# Altium PCB PCB1.PcbDoc (part 1 of 2)
Units mm, origin at the board's own origin, x right, y up, seen from the top; angles counter-clockwise.
Board outline 278.89 x 36.25 mm, 4 copper layers (SIG+GND TOP, SIG+PWR MID, GND3, SIG BOT), stack 1.589 mm thick; 63 components, 67 nets, 491 pads, 299 vias.
Unrouted connection lines stored in the file: 84.
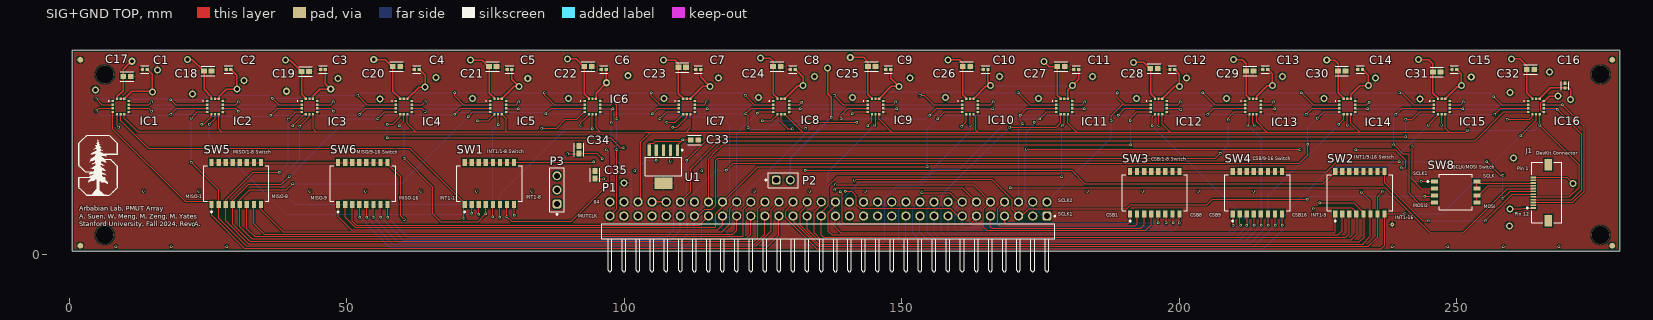
[diagram p0: SIG+GND TOP view]
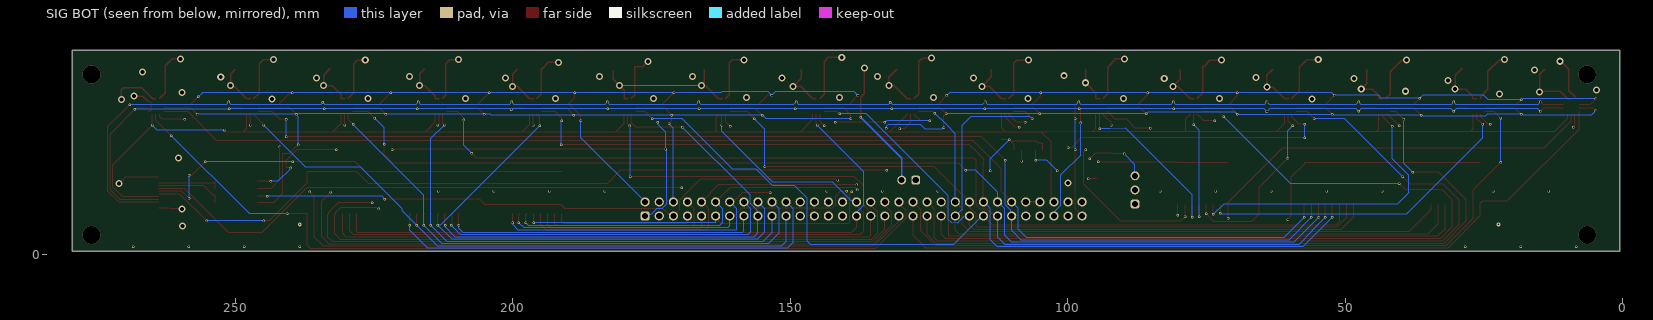
[diagram p1: SIG BOT view, seen from below]
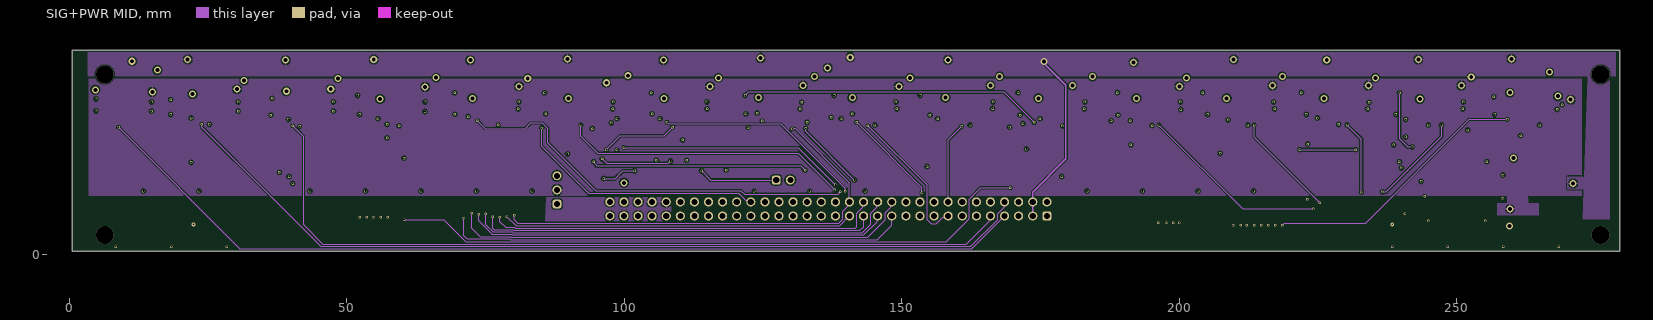
[diagram p2: SIG+PWR MID]
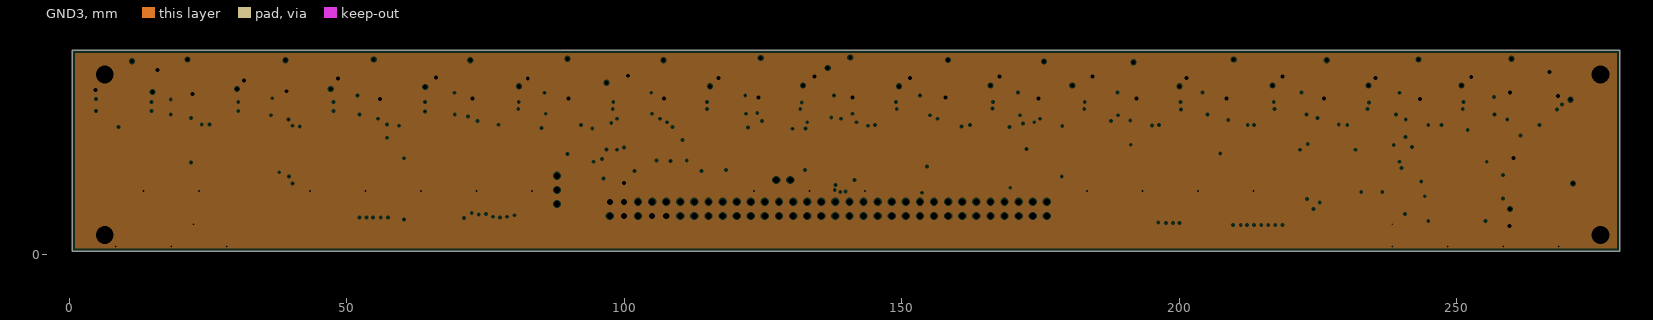
[diagram p3: GND3, clearances drawn from the general rule]
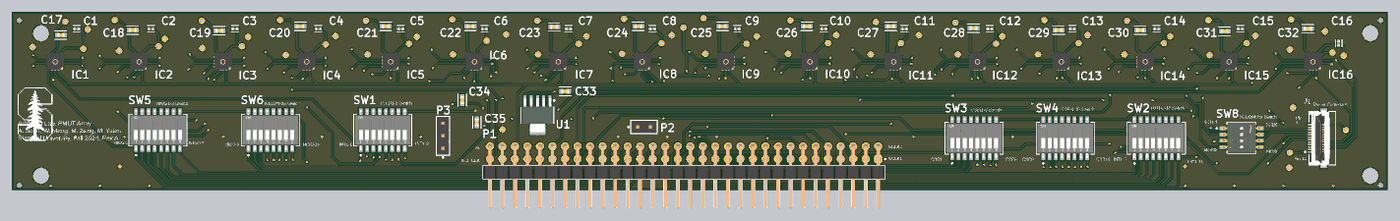
[diagram p5: 3D render of the assembled board from above, using the file's embedded part models]

## Layer stack, top to bottom
Top Solder: solder mask 0.015, Solder Resist, Dk 3.8
SIG+GND TOP: signal copper 0.0356
Dielectric 1: prepreg 0.1, 2313, Dk 4.05
SIG+PWR MID: signal copper 0.0356
Core: core 1.265, FR-4, Dk 4.5
GND3: plane copper 0.0175, net GND
Dielectric 2: prepreg 0.1, 2313, Dk 4.05
SIG BOT: signal copper 0.0356
Bottom Solder: solder mask 0.015, Solder Resist, Dk 3.8

## Board outline
0.508,0.508 0.508,36.759 279.395,36.759 279.395,0.508

## Design rules (kind name [scope] priority, off if disabled: settings)
AssemblyTestPointUsage [All] p1: isadvanced=TRUE
AssemblyTestpoint [All] p1: isadvanced=TRUE testpointundercomponent=TRUE minsize=1.016 maxsize=2.54 preferedsize=1.524 minholesize=0 maxholesize=1.016 preferedholesize=0.813 testpointgrid=0.025 usegrid=TRUE gridtolerance=0 allowsidetop=TRUE allowsidebottom=TRUE
BoardOutlineClearance [All] p1: isadvanced=TRUE gap=0.4 ignorepadtopadclearanceinfootprint=FALSE
Clearance "Clearance Bottom Layer" [OnLayer('Bottom Layer')] p1: isadvanced=TRUE gap=0.203 ignorepadtopadclearanceinfootprint=TRUE except(0.089: Track-Track Track-SMDPad; 0.127: Track-Via; 0.2: Track-THPad Track-Hole; 0.254: Arc-Text Track-Text SMDPad-Text THPad-Text Via-Text Fill-Text Poly-Text Region-Text Text-Text)
Clearance "Clearance Top Layer" [OnLayer('Top Layer')] p2: isadvanced=TRUE gap=0.203 ignorepadtopadclearanceinfootprint=TRUE except(0.254: Arc-Text Track-Text SMDPad-Text THPad-Text Via-Text Fill-Text Poly-Text Region-Text Text-Text)
Clearance Clearance_1 [(ExistsOnLayer('SIG+PWR MID')) vs (ExistsOnLayer('SIG+PWR MID'))] p3: gap=0.254 ignorepadtopadclearanceinfootprint=FALSE except(0.102: SMDPad-SMDPad) sourcerule=47 cellrowname=All cellrowtype=0 cellcolname=All cellcoltype=0 innerlayers=TRUE
Clearance Clearance_2 [(ExistsOnLayer('SIG+GND TOP') Or ExistsOnLayer('SIG BOT')) vs (ExistsOnLayer('SIG+GND TOP') Or ExistsOnLayer('SIG BOT'))] p4: gap=0.254 ignorepadtopadclearanceinfootprint=FALSE except(0.102: SMDPad-SMDPad) sourcerule=47 cellrowname=All cellrowtype=0 cellcolname=All cellcoltype=0 outerlayers=TRUE
Clearance [All] p5: gap=0.2 ignorepadtopadclearanceinfootprint=FALSE except(0.089: Arc-Arc Arc-Track Arc-SMDPad Track-Track Track-SMDPad SMDPad-SMDPad; 0.127: Arc-Via Track-Via SMDPad-Via THPad-Via Via-Via; 0.254: Arc-Text Track-Text SMDPad-Text THPad-Text Via-Text Fill-Text Poly-Text Region-Text Text-Text) ismatrix=TRUE
ComponentClearance [All] p1: isadvanced=TRUE gap=0.254 collisioncheckmode=3 verticalgap=0.254 showdistances=FALSE
FabricationTestPointUsage [All] p1: isadvanced=TRUE valid=0 allowmultiple=FALSE
FabricationTestpoint [All] p1: isadvanced=TRUE side=3 testpointundercomponent=TRUE minsize=1.016 maxsize=2.54 preferedsize=1.524 minholesize=0 maxholesize=1.016 preferedholesize=0.813 testpointgrid=0.025 allowsidetop=TRUE allowsidebottom=TRUE usegrid=TRUE gridtolerance=0
FanoutControl Fanout_BGA [IsBGA] p1: isadvanced=TRUE bgadir=Out bgaviamode=Centered fanoutstyle=Auto fanoutdirection=Alternating viagrid=0.025 // Fanout_BGA (Default Rule)
FanoutControl Fanout_LCC [IsLCC] p2: isadvanced=TRUE bgadir=Out bgaviamode=Centered fanoutstyle=Auto fanoutdirection=Alternating viagrid=0.025 // Fanout_LCC (Default Rule)
FanoutControl Fanout_SOIC [IsSOIC] p3: isadvanced=TRUE bgadir=Out bgaviamode=Centered fanoutstyle=Auto fanoutdirection=Alternating viagrid=0.025 // Fanout_SOIC (Default Rule)
FanoutControl Fanout_Small [(CompPinCount < 5)] p4: isadvanced=TRUE bgadir=Out bgaviamode=Centered fanoutstyle=Auto fanoutdirection=OutThenIn viagrid=0.025 // Fanout_Small (Default Rule)
FanoutControl Fanout_Default [All] p5: isadvanced=TRUE bgadir=Out bgaviamode=Centered fanoutstyle=Auto fanoutdirection=Alternating viagrid=0.025 // Fanout_Default (Default Rule)
Height [All] p1: isadvanced=TRUE minheight=0 maxheight=25.4 prefheight=12.7
HoleSize [All] p1: isadvanced=TRUE absolutevalues=TRUE maxlimit=6.3 minlimit=0.2 maxpercent=80.000 minpercent=20.000
HoleToHoleClearance [All] p1: isadvanced=TRUE gap=0.15 allowstackedmicrovias=TRUE
LayerPairs [All] p1: isadvanced=TRUE enforce=TRUE
MinimumAnnularRing [not IsVia] p1: isadvanced=TRUE minimumring=0.13
MinimumSolderMaskSliver [All] p1: isadvanced=TRUE minsoldermaskwidth=0.08
NetAntennae [All] p1: isadvanced=TRUE netantennaetolerance=0
PasteMaskExpansion [All] p1: isadvanced=TRUE expansion=0
PlaneClearance [All] p1: isadvanced=TRUE clearance=0.2
PlaneConnect [All] p1: isadvanced=TRUE planeconnectstyle=Direct reliefexpansion=0.508 reliefentries=4 reliefconductorwidth=0.254 reliefairgap=0.254
PolygonConnect [All] p1: connectstyle=Relief reliefconductorwidth=0.254 reliefentries=4 polygonreliefangle="90 Angle" airgapwidth=0.254
RoutingCorners [All] p1: isadvanced=TRUE cornerstyle=Round minsetback=2.54 maxsetback=2.54
RoutingPriority [All] p1: isadvanced=TRUE routingpriority=0
RoutingVias [All] p1: holewidth=0.3 width=0.45 viastyle="Through Hole" minholewidth=0.3 minwidth=0.45 maxholewidth=0.3 maxwidth=0.45
ShortCircuit [All] p1: isadvanced=TRUE allowed=FALSE
SilkToSilkClearance [IsObjectKind('Text') vs IsObjectKind('Text')] p1: isadvanced=TRUE silktosilkclearance=0.1
SilkToSolderMaskClearance [IsPad] p1: isadvanced=TRUE minsilkscreentomaskgap=0.15 clearancetoexposedcopper=TRUE
SolderMaskExpansion [All] p1: isadvanced=TRUE expansion=0.05 istentingtop=FALSE
SupplyNets "Schematic Supply Nets_6" [InNet('GND')] p1: voltage=0.000
SupplyNets "Schematic Supply Nets_5" [InNet('GND')] p2: isadvanced=TRUE voltage=0.000
SupplyNets "Schematic Supply Nets_4" [InNet('GND')] p3: isadvanced=TRUE voltage=0.000
SupplyNets "Schematic Supply Nets_3" [InNet('GND')] p4: isadvanced=TRUE voltage=0.000
SupplyNets "Schematic Supply Nets_2" [InNet('GND')] p5: isadvanced=TRUE voltage=0.000
SupplyNets "Schematic Supply Nets_1" [InNet('GND')] p6: isadvanced=TRUE voltage=0.000
SupplyNets "Schematic Supply Nets" [InNet('GND')] p7: isadvanced=TRUE voltage=0.000
UnRoutedNet [All] p1: isadvanced=TRUE
UnpouredPolygon [All] p1: isadvanced=TRUE
Width [All] p1: maxlimit=0.305 minlimit=0.154 preferedwidth=0.155 minimp=50.000000 maximp=50.000000 favimp=50.000000
4 further rules are at their usual default settings.

## Components (designator, comment, footprint, x,y, rotation, side; value= is the part's Value field where it differs from the comment)
C1 "0.1 uF Capacitator" FP-CL17-IPC_B 13.637,33.274 r0 top value=100nF
C2 "0.1 uF Capacitator" FP-CL17-IPC_B 28.702,33.274 r0 top value=100nF
C3 "0.1 uF Capacitator" FP-CL17-IPC_B 45.72,33.274 r0 top value=100nF
C4 "0.1 uF Capacitator" FP-CL17-IPC_B 62.611,33.274 r0 top value=100nF
C5 "0.1 uF Capacitator" FP-CL17-IPC_B 79.327,33.274 r0 top value=100nF
C6 "0.1 uF Capacitator" FP-CL17-IPC_B 96.311,33.274 r0 top value=100nF
C7 "0.1 uF Capacitator" FP-CL17-IPC_B 113.338,33.274 r0 top value=100nF
C8 "0.1 uF Capacitator" FP-CL17-IPC_B 130.365,33.274 r0 top value=100nF
C9 "0.1 uF Capacitator" FP-CL17-IPC_B 147.574,33.274 r0 top value=100nF
C10 "0.1 uF Capacitator" FP-CL17-IPC_B 165.1,33.274 r0 top value=100nF
C11 "0.1 uF Capacitator" FP-CL17-IPC_B 181.447,33.274 r0 top value=100nF
C12 "0.1 uF Capacitator" FP-CL17-IPC_B 198.755,33.274 r0 top value=100nF
C13 "0.1 uF Capacitator" FP-CL17-IPC_B 215.501,33.274 r0 top value=100nF
C14 "0.1 uF Capacitator" FP-CL17-IPC_B 232.585,33.274 r0 top value=100nF
C15 "0.1 uF Capacitator" FP-CL17-IPC_B 249.555,33.274 r0 top value=100nF
C16 "0.1 uF Capacitator" FP-CL17-IPC_B 269.494,30.353 r270 top value=100nF
C17 "1 uF Capacitator" FP-CC0603-DA-IPC_B 10.414,32.004 r180 top value=1µF
C18 "1 uF Capacitator" FP-CC0603-DA-IPC_B 24.977,33.02 r180 top value=1µF
C19 "1 uF Capacitator" FP-CC0603-DA-IPC_B 42.545,32.893 r180 top value=1µF
C20 "1 uF Capacitator" FP-CC0603-DA-IPC_B 58.971,33.782 r180 top value=1µF
C21 "1 uF Capacitator" FP-CC0603-DA-IPC_B 76.285,33.782 r180 top value=1µF
C22 "1 uF Capacitator" FP-CC0603-DA-IPC_B 93.472,33.782 r180 top value=1µF
C23 "1 uF Capacitator" FP-CC0603-DA-IPC_B 110.448,33.655 r180 top value=1µF
C24 "1 uF Capacitator" FP-CC0603-DA-IPC_B 127.508,33.782 r180 top value=1µF
C25 "1 uF Capacitator" FP-CC0603-DA-IPC_B 144.568,33.782 r180 top value=1µF
C26 "1 uF Capacitator" FP-CC0603-DA-IPC_B 161.671,33.782 r180 top value=1µF
C27 "1 uF Capacitator" FP-CC0603-DA-IPC_B 178.689,33.782 r180 top value=1µF
C28 "1 uF Capacitator" FP-CC0603-DA-IPC_B 195.453,33.401 r180 top value=1µF
C29 "1 uF Capacitator" FP-CC0603-DA-IPC_B 212.725,33.02 r180 top value=1µF
C30 "1 uF Capacitator" FP-CC0603-DA-IPC_B 229.277,33.02 r180 top value=1µF
C31 "1 uF Capacitator" FP-CC0603-DA-IPC_B 246.38,32.766 r180 top value=1µF
C32 "1 uF Capacitator" FP-CC0603-DA-IPC_B 263.271,33.274 r180 top value=1µF
C33 "1 uF Capacitator" FP-CC0603-DA-IPC_B 112.649,20.574 r0 top value=1µF
C34 "1 uF Capacitator" FP-CC0603-DA-IPC_B 91.821,18.796 r90 top value=1µF
C35 "1 uF Capacitator" FP-CC0603-DA-IPC_B 94.742,14.266 r90 top value=1µF
IC1 "ICU-20201" ICU20201 9.277,26.581 r180 top locked
IC2 "ICU-20201" ICU20201 26.277,26.581 r180 top locked
IC3 "ICU-20201" ICU20201 43.277,26.581 r180 top locked
IC4 "ICU-20201" ICU20201 60.277,26.581 r180 top locked
IC5 "ICU-20201" ICU20201 77.277,26.581 r180 top locked
IC6 "ICU-20201" ICU20201 94.277,26.581 r180 top locked
IC7 "ICU-20201" ICU20201 111.277,26.581 r180 top locked
IC8 "ICU-20201" ICU20201 128.277,26.581 r180 top locked
IC9 "ICU-20201" ICU20201 145.277,26.581 r180 top locked
IC10 "ICU-20201" ICU20201 162.277,26.581 r180 top locked
IC11 "ICU-20201" ICU20201 179.277,26.581 r180 top locked
IC12 "ICU-20201" ICU20201 196.277,26.581 r180 top locked
IC13 "ICU-20201" ICU20201 213.277,26.581 r180 top locked
IC14 "ICU-20201" ICU20201 230.277,26.581 r180 top locked
IC15 "ICU-20201" ICU20201 247.277,26.581 r180 top locked
IC16 "ICU-20201" ICU20201 264.277,26.581 r180 top locked
J1 "12 Pin Ribbon Connector" FP-505110-1292-MFG 266.192,11.049 r90 top
P1 "64-Pin Connector" 61306421021 136.769,4.128 r0 top locked
P2 "2 Pin Header" 61300211121 128.651,13.335 r0 top
P3 "3 Pin Header Male" 61300311121 87.884,11.557 r90 top
SW1 "8 Dip Switch" FP-1-1571983-1-MFG 75.692,12.7 r0 top locked
SW2 "8 Dip Switch" FP-1-1571983-1-MFG 232.537,11.049 r0 top
SW3 "8 Dip Switch" FP-1-1571983-1-MFG 195.58,11.049 r0 top locked
SW4 "8 Dip Switch" FP-1-1571983-1-MFG 214.058,11.049 r0 top
SW5 "8 Dip Switch" FP-1-1571983-1-MFG 30.099,12.7 r0 top
SW6 "8 Dip Switch" FP-1-1571983-1-MFG 52.895,12.7 r0 top
SW8 "4 DIP SWITCH Surface Mount" FP-218-4LPSTR-MFG 249.809,11.176 r0 top
U1 "3.3V -> 1.8V LDO" DCQ0006A_N 107.061,15.748 r270 top

## Footprints (in the part's own frame and the unit in brackets; to place one, negate y for a bottom-side part, rotate by r counter-clockwise, add the part's x,y. Pads: shape width x height; smd on the part's side, far side on the other; paste and mask are expansions set on the pad)
61300211121 [mm] "Pin Header, pitch 2.54 mm, THT, Vertical, single row, 2p"
  rrect50% 1.6x1.6 hole 1.1: 1(-1.27,0)
  round 1.6 hole 1.1: 2(1.27,0)
  silkscreen extent -3.26,-1.35 2.69,1.35, body extent -2.54,-1.27 2.54,1.27, height 8.57
61300311121 [mm] "Pin Header, pitch 2.54 mm, THT, Vertical, single row, 3p"
  rrect50% 1.6x1.6 hole 1.1: 1(-2.54,0)
  round 1.6 hole 1.1: 2(0,0) 3(2.54,0)
  silkscreen extent -4.53,-1.35 3.96,1.35, body extent -3.81,-1.27 3.81,1.27, height 8.57
61306421021 [mm] "Pin Header, pitch 2.54 mm, THT, Angled, dual row, 64p"
  rrect50% 1.65x1.65 hole 1.1: 1(39.37,2.73)
  round 1.65 hole 1.1: 2(39.37,5.27) 3(36.83,2.73) 4(36.83,5.27) 5(34.29,2.73) 6(34.29,5.27) 7(31.75,2.73) 8(31.75,5.27) 9(29.21,2.73) 10(29.21,5.27) 11(26.67,2.73) 12(26.67,5.27) 13(24.13,2.73) 14(24.13,5.27) 15(21.59,2.73) 16(21.59,5.27) 17(19.05,2.73) 18(19.05,5.27) 19(16.51,2.73) 20(16.51,5.27) 21(13.97,2.73) 22(13.97,5.27) 23(11.43,2.73) 24(11.43,5.27) 25(8.89,2.73) 26(8.89,5.27) 27(6.35,2.73) 28(6.35,5.27) 29(3.81,2.73) 30(3.81,5.27) 31(1.27,2.73) 32(1.27,5.27) 33(-1.27,2.73) 34(-1.27,5.27) 35(-3.81,2.73) 36(-3.81,5.27) 37(-6.35,2.73) 38(-6.35,5.27) 39(-8.89,2.73) 40(-8.89,5.27) 41(-11.43,2.73) 42(-11.43,5.27) 43(-13.97,2.73) 44(-13.97,5.27) 45(-16.51,2.73) 46(-16.51,5.27) 47(-19.05,2.73) 48(-19.05,5.27) 49(-21.59,2.73) 50(-21.59,5.27) 51(-24.13,2.73) 52(-24.13,5.27) 53(-26.67,2.73) 54(-26.67,5.27) 55(-29.21,2.73) 56(-29.21,5.27) 57(-31.75,2.73) 58(-31.75,5.27) 59(-34.29,2.73) 60(-34.29,5.27) 61(-36.83,2.73) 62(-36.83,5.27) 63(-39.37,2.73) 64(-39.37,5.27)
  silkscreen extent -40.79,-7.27 40.93,2.82, body extent -40.64,-7.27 40.64,5.63, height 5.12
DCQ0006A_N [mm] "SOT223, 6-Leads, Body 6.55x3.55mm, Pitch 1.27mm, IPC Medium Density"
  rrect17% 2.1x0.6 smd: 1(-2.975,2.54) 2(-2.975,1.27) 3(-2.975,0) 4(-2.975,-1.27) 5(-2.975,-2.54)
  rrect5% 2.1x3.2 smd: 6(2.975,0)
  silkscreen extent -3.1,-3.3 1.65,3.52, body extent -3.48,-3.25 3.48,3.25, height 1.64
FP-1-1571983-1-MFG [mm]
  rect 0.76x1.27 smd paste+0 mask+0: 1(-4.445,-3.795) 2(-3.175,-3.795) 3(-1.905,-3.795) 4(-0.635,-3.795) 5(0.635,-3.795) 6(1.905,-3.795) 7(3.175,-3.795) 8(4.445,-3.795) 9(4.445,3.795) 10(3.175,3.795) 11(1.905,3.795) 12(0.635,3.795) 13(-0.635,3.795) 14(-1.905,3.795) 15(-3.175,3.795) 16(-4.445,3.795)
  silkscreen extent -5.89,-5.22 5.89,3.23, body extent -5.99,-4.53 5.99,4.53, height 0.25
FP-218-4LPSTR-MFG [mm]
  rect 1.27x0.76 smd paste+0 mask+0: 1(-3.81,1.905) 2(-3.81,0.635) 3(-3.81,-0.635) 4(-3.81,-1.905) 5(3.81,-1.905) 6(3.81,-0.635) 7(3.81,0.635) 8(3.81,1.905)
  silkscreen extent -5.15,-3.19 2.96,3.19, body extent -4.54,-3.29 4.54,3.29, height 0.25
FP-505110-1292-MFG [mm]
  rect 0.3x1 smd paste+0 mask+0: 1(-2.75,2.425) 2(-2.25,2.425) 3(-1.75,2.425) 4(-1.25,2.425) 5(-0.75,2.425) 6(-0.25,2.425) 7(0.25,2.425) 8(0.75,2.425) 9(1.25,2.425) 10(1.75,2.425) 11(2.25,2.425) 12(2.75,2.425)
  rect 2x1.3 smd paste+0 mask+0: 13(-5.05,-0.275) 14(5.05,-0.275)
  silkscreen extent -5.45,-2.73 5.45,3.6, body extent -6.15,-2.83 6.15,3.03, height 0.25
FP-CC0603-DA-IPC_B [mm]
  rect 1.058x0.912 smd paste+0 mask+0: 1(-0.677,0) 2(0.677,0)
  silkscreen extent -1.21,-0.86 1.21,0.86, body extent -1.46,-0.71 1.46,0.71, height 0.25
FP-CL17-IPC_B [mm]
  rect 0.615x0.572 smd paste+0 mask+0: 1(-0.429,0) 2(0.429,0)
  silkscreen extent -0.74,-0.69 0.74,0.69, body extent -0.89,-0.44 0.89,0.44, height 0.25
ICU20201 [mm]
  rect 0.45x0.4 smd: 1(1.425,-0.975) 2(1.425,-0.325) 3(1.425,0.325) 4(1.425,0.975) 8(-1.425,0.975) 9(-1.425,0.325) 10(-1.425,-0.325) 11(-1.425,-0.975)
  rect 0.4x0.45 smd: 5(0.65,1.425) 6(0,1.425) 7(-0.65,1.425) 12(-0.65,-1.425) 13(0,-1.425) 14(0.65,-1.425)
  silkscreen extent 2.1,-1.02 2.2,-0.93, body extent -1.76,-1.76 1.76,1.76, height 1.26

## Part data
C1 C2 C3 C4 C5 C6 C7 C8 C9 C10 C11 C12 C13 C14 C15 C16: library part CMP-001-00084-1, "Ceramic Capacitor, Multilayer, Ceramic, 10V, 10% +Tol, 10% -Tol, X7R, 15% TC, 0.1uF, Surface Mount, 0402", Capacitor Type=Ceramic, Case/Package=0402, Max Operating Temperature=125°C, Min Operating Temperature=-55°C, Package Shape=Rectangular, Package Style=SMTMeter, Rated DC Voltage (URdc)=10V, Temperature Characteristics Code=X7R, Tolerance  (fill in as +-)=10%, Dielectric Material=Ceramic, Height=0.5mm, JESD-609 Code=e3, Length=1mm, Mounting Technology="Surface Mount", Multilayer=Yes, Packaging="Tape and Reel", Pins=2, Reach SVHC Compliant=Yes, RoHS Compliant=Yes, Terminal Finish=Nickel, Termination=Wraparound, Tolerance (fill in as +-)=10%, Width=0.5mm
C17 C18 C19 C20 C21 C22 C23 C24 C25 C26 C27 C28 C29 C30 C31 C32 C33 C34 C35: library part CMP-001-00085-1, "Ceramic Capacitor, Multilayer, Ceramic, 16V, 10% +Tol, 10% -Tol, X7R, 15% TC, 1uF, Surface Mount, 0603", Capacitor Type=Ceramic, Case/Package=0603, Max Operating Temperature=125°C, Min Operating Temperature=-55°C, Package Shape=Rectangular, Package Style=SMTMeter, Rated DC Voltage (URdc)=16V, Temperature Characteristics Code=X7R, Tolerance  (fill in as +-)=10%, Dielectric Material=Ceramic, Height=0.8mm, JESD-609 Code=e3, Length=1.6mm, Mounting Technology="Surface Mount", Multilayer=Yes, Packaging="Tape and Reel", Pins=2, Reach SVHC Compliant=Yes, RoHS Compliant=Yes, Terminal Finish=Nickel, Termination=Wraparound, Tolerance (fill in as +-)=10%, Width=0.8mm
IC1 IC2 IC3 IC4 IC5 IC6 IC7 IC8 IC9 IC10 IC11 IC12 IC13 IC14 IC15 IC16: "Integrated Circuit", Manufacturer_Name=TDK, Mouser Part Number=410-ICU-20201, Arrow Part Number=ICU-20201, Arrow Price/Stock=https://www.arrow.com/en/products/icu-20201/invensense?region=nac, Datasheet Link=https://invensense.tdk.com/wp-content/uploads/2023/06/ds-000478_icu-20201-datasheet.pdf, Height=1.36mm, Manufacturer_Part_Number=ICU-20201, Mouser Price/Stock=https://www.mouser.co.uk/ProductDetail/TDK-InvenSense/ICU-20201?qs=tlsG%2FOw5FFgKqFXdb%252Bw4xQ%3D%3D
J1: library part CMP-002-00072-1, "Conn FFC/FPC Connector SKT 12 POS 0.5mm Solder RA SMD Easy-On™ T/R"
P1: library part CMP-002-00073-1, "Board Connector, 64 Contact(s), 2 Row(s), Male, Right Angle, 0.1 inch Pitch, Solder Terminal, Locking, Black Insulator, Plug", Contact Resistance=20mR, Dielectric Withstanding Voltage (AC)=500V, Insulation Color=Black, Insulation Resistance=1GR, Manufacturer Series=613, Max Operating Temperature=125°C, Min Operating Temperature=-40°C, Rated Current (Signal)=3A, Body Breadth=0.2inch, Body Depth=0.259inch, Body Length=3.2inch, Body/Shell Style=PLUG, Connector Type="BOARD CONNECTOR", Contact Finish - Mating=GOLD, Contact Finish - Termination="Gold (Au) - with Nickel (Ni) barrier", Contact Gender=Male, Contact Material="Copper Alloy", Contact Pattern=RECTANGULAR, Contact Style="SQ PIN-SKT", Insulation Material=Polybutylene, JESD-609 Code=e4, Mating Contact Pitch=0.1inch, Mating Contact Row Spacing=0.1inch, Mounting Option 1=LOCKING, Mounting Style="RIGHT ANGLE", Mounting Technology=Board, Number Of Connectors=1, Number Of Contacts=64, Number Of PCB Rows=2, Number of Rows Loaded=2, PCB Contact Pattern=RECTANGULAR, PCB Contact Row Spacing=2.54mm, Reach SVHC Compliant=Yes, Reference Standard=UL, Reliability=COMMERCIAL, RoHS Compliant=Yes, Terminal Length=0.118inch, Terminal Pitch=2.54mm, Termination=Solder
P2: library part CMP-002-00080-1, "Board Connector, 2 Contact(s), 1 Row(s), Male, Straight, 0.1 inch Pitch, Solder Terminal, Locking, Black Insulator, Plug", Contact Resistance=20mR, Dielectric Withstanding Voltage (AC)=500V, Flammability Rating="UL94 V-0", Insulation Color=Black, Insulation Resistance=1GR, Max Operating Temperature=125°C, Min Operating Temperature=-40°C, Rated Current (Signal)=3A, Body Breadth=0.1inch, Body Depth=0.1inch, Body Length=0.2inch, Body/Shell Style=PLUG, Connector Type="BOARD CONNECTOR", Contact Finish - Mating=GOLD, Contact Finish - Termination="Gold (Au) - with Nickel (Ni) barrier", Contact Gender=Male, Contact Material="Copper Alloy", Contact Pattern=RECTANGULAR, Contact Style="SQ PIN-SKT", DIN Conformance=No, Filter Feature=No, IEC Conformance=No, Insulation Material=Polybutylene, JESD-609 Code=e4, Mating Contact Pitch=0.1inch, MIL Conformance=No, Mixed Contacts=No, Mounting Option 1=LOCKING, Mounting Style=STRAIGHT, Mounting Technology=Board, Number Of Connectors=1, Number Of Contacts=2, Number of Rows Loaded=1, Option="General Purpose", PCB Contact Pattern=RECTANGULAR, Reach SVHC Compliant=Yes, Reference Standard=UL, Reliability=COMMERCIAL, RoHS Compliant=Yes, Terminal Length=0.118inch, Terminal Pitch=2.54mm, Termination=Solder
P3: library part CMP-002-00081-1, "Board Connector, 3 Contact(s), 1 Row(s), Male, Straight, 0.1 inch Pitch, Solder Terminal, Locking, Black Insulator, Plug", Contact Resistance=20mR, Dielectric Withstanding Voltage (AC)=500V, Insulation Color=Black, Insulation Resistance=1GR, Max Operating Temperature=125°C, Min Operating Temperature=-40°C, Rated Current (Signal)=3A, Body Breadth=0.1inch, Body Depth=0.1inch, Body Length=0.3inch, Body/Shell Style=PLUG, Connector Type="BOARD CONNECTOR", Contact Finish - Mating=GOLD, Contact Finish - Termination="Gold (Au) - with Nickel (Ni) barrier", Contact Gender=Male, Contact Material="Copper Alloy", Contact Pattern=RECTANGULAR, Contact Style="SQ PIN-SKT", Insulation Material=Polybutylene, JESD-609 Code=e4, Mating Contact Pitch=0.1inch, Mounting Option 1=LOCKING, Mounting Style=STRAIGHT, Mounting Technology=Board, Number Of Connectors=1, Number Of Contacts=3, Number of Rows Loaded=1, PCB Contact Pattern=RECTANGULAR, Reach SVHC Compliant=Yes, Reference Standard=UL, Reliability=COMMERCIAL, RoHS Compliant=Yes, Terminal Length=0.118inch, Terminal Pitch=2.54mm, Termination=Solder
SW1 SW2 SW3 SW4 SW5 SW6: library part CMP-002-00077-1, "Slide Dip Switch, 8 Switches, SPST, Latched, 0.025A, 24VDC, Solder Terminal, Surface Mount-straight", Contact Current(DC)-Max=25mA, Contact DC Max Rating R Load=.025A@24VDC, Contact Voltage(DC)-Max=24V, Manufacturer Series=1571983, Max Operating Temperature=85°C, Min Operating Temperature=-30°C, Body Breadth=6.2mm, Body Height=2.31mm, Body Length or Diameter=11.29mm, Mounting Technology="Surface Mount", Number of Switch Sections=8, Packaging="Tape and Reel", RoHS Compliant=Yes, Sealing="TAPE SEALED", Switch Action=LATCHED, Switch Function=SPST, Switch Type="Slide Dip", Termination=Solder
SW8: library part CMP-002-00079-1, "Slide Dip Switch, 4 Switches, SPST, Off-on, Latched, 0.025A, 24VDC, Solder Terminal, Surface Mount-straight", Contact Current(DC)-Max=25mA, Contact DC Max Rating R Load=.025A@24VDC, Contact Voltage(DC)-Max=24V, Insulation Resistance=100MR, Max Operating Temperature=85°C, Min Operating Temperature=-55°C, Actuator Type=SLIDE, Body Breadth=5.8mm, Body Height=2.65mm, Body Length or Diameter=6.25mm, Center Contact Plating=Gold, Contact Function=Off-On, Contact Material=Copper, End Contact Material=Copper, End Contact Plating=Gold, Mounting Technology="Surface Mount", Number of Positions=4, Number of Switch Sections=4, Packaging="Tape and Reel", Reach SVHC Compliant=Yes, RoHS Compliant=Yes, Sealing="BOTTOM SEALED; TOP TAPE SEALED", Switch Action=LATCHED, Switch Function=SPST, Switch Type="Slide Dip", Terminal Finish=Gold, Terminal Material=Bronze, Termination=Solder
U1: library part CMP-019-00049-1, "Fixed Positive LDO Regulator, 1.8V, 0.5V Dropout, BICMOS, PDSO6", Case/Package=SOP, Dropout Voltage1-Max=500mV, Input Voltage Absolute-Max=6V, Max Supply Voltage=5.5V, Min Input Voltage=2.2V, Operating Temperature, TJ-Max=125°C, Operating Temperature, TJ-Min=-40°C, Output Current1-Max=1A, Output Voltage1-Max=1.854V, Output Voltage1-Min=1.746V, Output Voltage1-Nom=1.8V, Package Body Material=Plastic, Package Shape=Rectangular, Package Style="SMALL OUTLINEMeter", Peak Reflow Temperature (Cel)=260°C, Voltage Tolerance-Max=3%, Adjustability=FIXED, Channels=1, Height - Seated (Max)=1.8mm, JESD-30 Code=R-PDSO-G6, JESD-609 Code=e3, Length=6.5mm, Moisture Sensitivity Level=2, Number of Outputs=1, Packaging=Rail/Tube, Pins=6, Qualification Status="Not Qualified", Reach SVHC Compliant=Yes, Regulator Type="FIXED POSITIVE SINGLE OUTPUT LDO REGULATOR", RoHS Compliant=Yes, Surface Mount=Yes, Technology=BICMOS, Terminal Finish=Tin, Terminal Form="Gull Wing", Terminal Pitch=1.27mm, Terminal Position=DUAL, Width=3.5mm

## Free pads (board coordinates)
  round 1 smd: 1(2,1.5) 2(2,35) 3(278,1.5) 4(278,35)

## Via types
v1: diameter 0.45, hole 0.3, SIG+GND TOP to SIG BOT, 222 vias
v2: diameter 1.27, hole 0.711, SIG+GND TOP to SIG BOT, 71 vias
v3: diameter 3.2, hole 3.2, SIG+GND TOP to SIG BOT, 4 vias
v4: diameter 0.7, hole 0.3, SIG+GND TOP to SIG BOT, 2 vias

## Nets (pads, with @x,y where several pads share a name; then routed paths per layer and width w, separated by ;. In a path a pad name is that pad's centre, name@x,y a point inside that pad or via, vN(x,y) a via of type N, cw(c..) or ccw(c..) an arc to the next point about the centre after c; other vN are vias at no path point)
1V8EXTERNAL: P1.56 P1.58 P3.1 | length 2.5
  SIG+GND TOP w0.254: P1.58@105.019,9.398 P1.56@107.559,9.398
1V8LDO: C34.1 P3.3 U1.2 | length 26.2
  SIG+GND TOP w0.155: v1(89.789,18.034) 91.736,18.034 C34.1@91.821,18.119 95.038,18.119 v1(96.012,17.145) ; v1(108.331,16.764) U1.2@108.331,18.723
  SIG+PWR MID w0.155: v1(96.012,17.145) 96.823,16.334 107.901,16.334 v1(108.331,16.764)
  SIG BOT w0.155: P3.3@87.884,14.097 87.884,16.129 v1(89.789,18.034)
AVDD/VDD: C1.2 C2.2 C3.2 C4.2 C5.2 C6.2 C7.2 C8.2 C9.2 C10.2 C11.2 C12.2 C13.2 C14.2 C15.2 C16.2 IC1.12 IC1.13 IC2.12 IC2.13 IC3.12 IC3.13 IC4.12 IC4.13 IC5.12 IC5.13 IC6.12 IC6.13 IC7.12 IC7.13 IC8.12 IC8.13 IC9.12 IC9.13 IC10.12 IC10.13 IC11.12 IC11.13 IC12.12 IC12.13 IC13.12 IC13.13 IC14.12 IC14.13 IC15.12 IC15.13 IC16.12 IC16.13 J1.1 P3.2 | length 153.9
  SIG+GND TOP w0.155: v2(259.588,8.128) 261.682,8.128 261.853,8.299 J1.1@263.767,8.299 ; C16.2@269.494,29.903 C16.2@269.494,29.924
  SIG+GND TOP w0.254: IC1.13@9.277,28.006 IC1.12@9.927,28.006 11.258,29.337 14.859,29.337 v2(14.986,29.21) ; C1.2@14.065,33.274 14.087,33.274 14.246,33.115 14.246,33.093 14.986,32.353 v2@14.986,29.337 ; IC2.13@26.289,28.018 IC2.13@26.277,28.006 IC2.12@26.927,28.006 26.996,28.075 26.996,28.393 28.321,29.718 v2(30.226,29.718) 30.226,32.179 C2.2@29.131,33.274 C2.2@28.962,33.442 ; IC3.13@43.277,28.006 IC3.12@43.927,28.006 43.927,28.497 45.148,29.718 v2(47.117,29.718) 46.149,30.686 C3.2@46.149,33.274 ; IC4.13@60.325,28.054 IC4.13@60.277,28.006 IC4.12@60.927,28.006 60.927,28.031 61.066,28.17 61.091,28.17 63.02,30.099 v2(64.135,30.099) 64.135,32.186 63.22,33.101 63.22,33.115 63.061,33.274 C4.2@63.04,33.274 ; IC5.13@77.277,28.006 IC5.12@77.927,28.006 77.927,28.031 78,28.104 78.025,28.104 80.147,30.226 v2(81.026,30.226) 79.756,31.496 C5.2@79.756,33.274 ; IC6.13@94.234,28.049 IC6.13@94.277,28.006 IC6.12@94.927,28.006 94.927,29.014 v2(96.774,30.861) 96.757,30.878 96.757,33.257 C6.2@96.74,33.274 ; IC7.13@111.252,28.031 IC7.13@111.277,28.006 IC7.12@111.927,28.006 111.927,28.031 112,28.104 112.025,28.104 114.147,30.226 v2(115.443,30.226) 113.767,31.902 C7.2@113.767,33.274 ; IC8.13@128.277,28.006 IC8.12@128.927,28.006 128.927,28.031 129,28.104 129.025,28.104 131.274,30.353 v2(132.207,30.353) 132.207,31.868 130.975,33.101 130.975,33.115 130.815,33.274 C8.2@130.794,33.274 ; IC9.13@145.277,28.006 IC9.12@145.927,28.006 145.927,28.031 146,28.104 146.025,28.104 148.147,30.226 v2(149.479,30.226) 148.003,31.702 C9.2@148.003,33.274 ; IC10.13@162.306,28.035 IC10.13@162.277,28.006 IC10.12@162.927,28.006 162.927,28.031 163,28.104 163.025,28.104 165.171,30.25 165.886,30.25 v2(165.989,30.353) 165.989,30.549 165.529,31.01 C10.2@165.529,33.274 ; IC11.13@179.277,28.006 IC11.12@179.927,28.006 179.927,29.559 v2(180.721,30.353) 181.875,31.507 181.875,33.02 C11.2@181.897,33.02 ; IC12.13@196.342,28.071 IC12.13@196.277,28.006 IC12.12@196.927,28.006 196.927,28.031 197,28.104 197.025,28.104 199.147,30.226 v2(200.025,30.226) 200.025,32.433 199.364,33.093 199.364,33.115 199.205,33.274 C12.2@199.184,33.274 ; IC13.13@213.277,28.006 IC13.12@213.927,28.006 213.958,28.037 213.958,28.431 215.88,30.353 v2(216.789,30.353) 216.789,32.486 216.16,33.115 216.11,33.115 215.931,33.294 C13.2@215.931,33.344 ; IC14.13@230.378,28.107 IC14.13@230.277,28.006 IC14.12@230.927,28.006 IC14.12@230.927,28.031 ; IC14.12@231.066,28.17 IC14.12@230.927,28.031 ; C14.2@232.845,33.442 234.061,32.226 v2(234.061,30.353) 232.537,30.353 230.927,28.743 IC14.12@230.927,28.031 ; IC15.13@247.396,28.125 IC15.13@247.277,28.006 IC15.12@247.927,28.006 247.927,28.031 248.066,28.17 248.091,28.17 250.085,30.164 v2@250.636,30.164 ; C15.2@249.984,33.274 250.005,33.274 250.164,33.115 250.164,33.093 250.825,32.433 v2(250.825,30.353) v2@250.636,30.164 ; v2@250.605,30.133 v2@250.636,30.164 ; IC16.13@264.287,28.016 IC16.13@264.277,28.006 IC16.12@264.927,28.006 264.927,28.031 266.82,29.924 C16.2@269.494,29.924 270.177,29.924 270.51,29.591 v2(270.51,27.813)
  SIG BOT w0.155: v2(165.989,30.353) v2(180.721,30.353)
CS_B: J1.7 SW3.9 SW3.10 SW3.11 SW3.12 SW3.13 SW3.14 SW3.15 SW3.16 SW4.9 SW4.10 SW4.11 SW4.12 SW4.13 SW4.14 SW4.15 SW4.16 | length 79.1
  SIG+GND TOP w0.155: SW3.16@191.135,14.844 SW3.15@192.405,14.844 SW3.14@193.675,14.844 SW3.13@194.945,14.844 SW3.12@196.215,14.844 SW3.11@197.485,14.844 SW3.10@198.755,14.844 SW3.9@200.025,14.844 SW4.16@209.613,14.844 SW4.15@210.883,14.844 SW4.14@212.153,14.844 SW4.13@213.423,14.844 SW4.12@214.694,14.844 SW4.11@215.963,14.844 SW4.10@217.233,14.844 SW4.9@218.504,14.844 226.551,14.844 228.344,16.637 v1(239.649,16.637) ; v1(255.397,16.637) 257.81,14.224 v1(258.318,14.224) ; v1(258.318,10.033) 259.584,11.299 J1.7@263.767,11.299
  SIG BOT w0.155: v1(239.649,16.637) v1(255.397,16.637) ; v1(258.318,10.033) v1(258.318,14.224)
CS_B_1: IC1.5 P1.7 SW3.1 | length 198.9
  SIG+GND TOP w0.155: IC1.5@8.627,25.156 8.627,23.212 8.89,22.949 v1(8.89,22.86) ; P1.7@168.519,6.858 168.519,5.725 168.76,5.484 190.706,5.484 191.135,5.913 SW3.1@191.135,7.254
  SIG+PWR MID w0.155: v1(8.89,22.86) 30.765,0.985 162.646,0.985 P1.7@168.519,6.858
CS_B_2: IC2.5 P1.8 SW3.2 | length 192.9
  SIG+GND TOP w0.155: v1(23.876,23.368) 24.257,23.368 25.627,24.738 IC2.5@25.627,25.156 ; P1.8@168.519,9.398 167.259,8.138 167.259,5.461 167.645,5.075 192.019,5.075 192.405,5.461 SW3.2@192.405,7.254
  SIG+PWR MID w0.155: v1(23.876,23.368) 23.876,22.86 45.342,1.394 162.43,1.394 167.259,6.223 167.259,7.234 168.439,8.413 168.439,9.318 P1.8@168.519,9.398
CS_B_3: IC3.5 P1.9 SW3.3 | length 181.5
  SIG+GND TOP w0.155: v1(40.259,23.114) 42.301,25.156 IC3.5@42.627,25.156 ; P1.9@165.979,6.858 165.979,4.963 166.276,4.666 193.063,4.666 193.675,5.278 SW3.3@193.675,7.254
  SIG+PWR MID w0.155: v1(40.259,23.114) 42.231,21.142 42.231,5.296 45.723,1.803 161.611,1.803 165.731,5.923 165.731,6.61 P1.9@165.979,6.858
CS_B_4: IC4.5 P1.10 SW3.4 | length 157.2
  SIG+GND TOP w0.155: v1(57.277,20.955) 97.536,20.955 99.314,19.177 v1(99.949,19.177) ; v1(57.277,23.368) 58.293,23.368 59.627,24.702 IC4.5@59.627,25.156 ; v1(138.05,12.445) 162.932,12.445 P1.10@165.979,9.398 164.719,8.138 164.719,4.826 165.288,4.257 193.924,4.257 194.945,5.278 SW3.4@194.945,7.254
  SIG+PWR MID w0.155: v1(99.949,19.177) 131.318,19.177 v1(138.05,12.445)
  SIG BOT w0.155: v1(57.277,20.955) v1(57.277,23.368)
CS_B_5: IC5.5 P1.11 SW3.5 | length 143.2
  SIG+GND TOP w0.155: v1(73.533,24.003) 75.474,24.003 76.463,24.992 76.488,24.992 76.627,25.131 IC5.5@76.627,25.156 ; v1(138.921,11.201) 139.249,10.873 139.249,5.733 139.52,5.461 139.585,5.461 162.433,5.461 163.439,6.467 P1.11@163.439,6.858 ; v1(196.215,5.663) SW3.5@196.215,7.254
  SIG+PWR MID w0.155: v1(73.533,24.003) 74.93,22.606 82.137,22.606 83.153,23.622 85.217,23.622 86.233,22.606 86.233,20.066 94.869,11.43 121.031,11.43 121.666,10.795 138.515,10.795 v1(138.921,11.201)
  SIG BOT w0.155: P1.11@163.439,6.858 163.439,5.725 163.544,5.62 196.172,5.62 v1(196.215,5.663)
CS_B_6: IC6.5 P1.12 SW3.6 | length 122.8
  SIG+GND TOP w0.155: v1(92.202,23.241) 92.202,23.706 92.984,24.488 93.627,25.131 IC6.5@93.627,25.156 ; v1(137.922,11.557) 138.303,11.938 160.899,11.938 P1.12@163.439,9.398 ; SW3.6@197.485,7.254 197.612,7.127 v1@197.612,5.588
  SIG+PWR MID w0.155: v1(92.202,23.241) 92.202,21.209 95.255,18.156 131.323,18.156 v1(137.922,11.557)
  SIG BOT w0.155: P1.12@163.439,9.398 162.179,8.138 162.179,5.715 162.788,5.106 197.098,5.106 197.58,5.588 v1@197.612,5.588
  other v1: 197.612,5.62
CS_B_7: IC7.5 P1.13 SW3.7 | length 106.9
  SIG+GND TOP w0.155: v1(107.696,23.749) 109.22,23.749 110.467,24.996 110.492,24.996 110.627,25.131 IC7.5@110.627,25.156 ; v1(139.827,11.303) 140.97,11.303 141.84,10.433 141.84,8.909 142.508,8.241 158.764,8.241 159.932,7.073 160.684,7.073 P1.13@160.899,6.858 ; SW3.7@198.755,7.254 198.882,7.127 v1@198.882,5.588
  SIG+PWR MID w0.155: v1(107.696,23.749) 107.738,23.749 108.041,23.446 128.192,23.446 139.8,11.838 139.8,11.33 v1(139.827,11.303)
  SIG BOT w0.155: P1.13@160.899,6.858 160.899,5.09 161.292,4.697 197.959,4.697 198.85,5.588 v1@198.882,5.588
  other v1: 198.882,5.62
CS_B_8: IC8.5 P1.14 SW3.8 | length 94.3
  SIG+GND TOP w0.155: v1(124.841,24.003) 126.499,24.003 127.627,25.131 IC8.5@127.627,25.156 ; v1(132.969,23.749) v1(141.859,23.749) ; v1(153.638,11.046) 158.626,11.046 159.995,9.677 160.62,9.677 P1.14@160.899,9.398 ; 200.025,5.334 SW3.8@200.025,7.254
  SIG+PWR MID w0.155: v1(124.841,24.003) v1@124.877,24.039 ; v1(141.859,23.749) 153.638,11.97 v1(153.638,11.046)
  SIG BOT w0.155: v1(124.841,24.003) 132.635,24.003 132.889,23.749 v1(132.969,23.749) ; P1.14@160.899,9.398 159.639,8.138 159.639,4.445 159.796,4.288 198.979,4.288 200.025,5.334
  other v1: 200.025,5.62
CS_B_9: IC9.5 P1.15 SW4.1 | length 85.4
  SIG+GND TOP w0.155: v1(143.891,23.114) 144.627,23.85 IC9.5@144.627,25.156 ; SW4.1@209.613,7.254 209.677,7.19 v1(209.677,5.207)
  SIG+PWR MID w0.155: v1(143.891,23.114) 154.559,12.446 154.559,6.223 155.309,5.473 156.222,5.473 157.392,6.643 158.144,6.643 P1.15@158.359,6.858
  SIG BOT w0.155: P1.15@158.359,6.858 158.359,4.201 158.681,3.879 208.913,3.879 209.677,4.643 v1(209.677,5.207)
CS_B_10: IC10.5 P1.16 SW4.2 | length 80
  SIG+GND TOP w0.155: v1(160.782,22.987) 161.627,23.832 IC10.5@161.627,25.156 ; SW4.2@210.883,7.254 210.883,5.486 211.074,5.296 v1(211.074,5.207)
  SIG+PWR MID w0.155: P1.16@158.359,9.398 158.359,20.564 v1(160.782,22.987)
  SIG BOT w0.155: P1.16@158.359,9.398 157.099,8.138 157.099,4.064 157.693,3.47 209.337,3.47 v1(211.074,5.207)
CS_B_11: IC11.5 P1.17 SW4.3 | length 95.7
  SIG+GND TOP w0.155: v1(169.418,22.86) 177.793,22.86 178.627,23.694 IC11.5@178.627,25.156 ; SW4.3@212.153,7.254 212.217,7.19 212.217,5.334 v1@212.183,5.3
  SIG+PWR MID w0.155: P1.17@155.819,6.858 P1.17@155.991,7.03
  SIG BOT w0.155: v1(169.418,22.86) 157.202,10.644 157.202,9.146 155.972,7.916 155.972,7.011 P1.17@155.819,6.858 155.819,3.82 156.578,3.061 210.325,3.061 212.156,4.892 v1@212.156,5.273
  other v1: 212.183,5.207
CS_B_12: IC12.5 P1.18 SW4.4 | length 96.4
  SIG+GND TOP w0.155: v1(195.101,23.146) 195.101,24.63 IC12.5@195.627,25.156 ; SW4.4@213.423,7.254 213.487,7.19 v1@213.487,5.334
  SIG BOT w0.155: P1.18@155.819,9.398 154.559,8.138 154.559,4.064 155.971,2.652 210.932,2.652 v1(213.487,5.207) 213.04,5.207 v1(195.101,23.146)
CS_B_13: IC13.5 P1.19 SW4.5 | length 89
  SIG+GND TOP w0.155: v1(212.344,23.241) 212.344,23.33 212.627,23.613 IC13.5@212.627,25.156 ; SW4.5@214.694,7.254 214.757,7.19 214.757,5.461
  SIG BOT w0.155: P1.19@153.279,6.858 153.281,6.856 153.281,3.945 154.983,2.243 211.793,2.243 v1(214.757,5.207) ; v1(212.344,23.241) 214.757,20.828 214.757,5.461
CS_B_14: IC14.5 P1.20 SW4.6 | length 99.5
  SIG+GND TOP w0.155: SW4.6@215.963,7.254 216.027,7.19 216.027,5.461 ; v1(228.727,23.368) 229.627,24.268 IC14.5@229.627,25.156
  SIG BOT w0.155: P1.20@153.279,9.398 152.019,8.138 152.019,3.81 153.995,1.834 212.654,1.834 v1(216.027,5.207) ; 216.027,5.461 216.027,10.602 228.727,23.302 v1(228.727,23.368)
CS_B_15: IC15.5 P1.21 SW4.7 | length 112.8
  SIG+GND TOP w0.155: SW4.7@217.233,7.254 217.297,7.19 217.297,5.461 ; v1(244.856,23.241) 244.919,23.304 244.919,23.423 246.627,25.131 IC15.5@246.627,25.156
  SIG BOT w0.155: P1.21@150.739,6.858 150.739,2.296 151.61,1.425 213.515,1.425 219.884,7.794 219.884,8.176 227.385,15.677 237.292,15.677 v1(244.856,23.241)
  other v1: 217.297,5.207
CS_B_16: IC16.5 P1.22 SW4.8 | length 135.3
  SIG+GND TOP w0.155: SW4.8@218.504,7.254 218.567,7.19 v1(218.567,5.207) ; v1(259.08,24.257) 263.144,24.257 263.627,24.74 IC16.5@263.627,25.156
  SIG+PWR MID w0.155: v1(218.567,5.207) 218.948,5.588 233.553,5.588 252.222,24.257 v1(259.08,24.257)
  SIG BOT w0.155: P1.22@150.739,9.398 149.479,8.138 149.479,2.103 150.566,1.016 215.265,1.016 218.528,4.279 218.528,5.168 v1(218.567,5.207)
GND: C1.1 C2.1 C3.1 C4.1 C5.1 C6.1 C7.1 C8.1 C9.1 C10.1 C11.1 C12.1 C13.1 C14.1 C15.1 C16.1 C17.1 C18.1 C19.1 C20.1 C21.1 C22.1 C23.1 C24.1 C25.1 C26.1 C27.1 C28.1 C29.1 C30.1 C31.1 C32.1 C33.2 C34.2 C35.2 IC1.1 IC1.8 IC1.11 IC2.1 IC2.8 IC2.11 IC3.1 IC3.8 IC3.11 IC4.1 IC4.8 IC4.11 IC5.1 IC5.8 IC5.11 IC6.1 IC6.8 IC6.11 IC7.1 IC7.8 IC7.11 IC8.1 IC8.8 IC8.11 IC9.1 IC9.8 IC9.11 IC10.1 IC10.8 IC10.11 IC11.1 IC11.8 IC11.11 IC12.1 IC12.8 IC12.11 IC13.1 IC13.8 IC13.11 IC14.1 IC14.8 IC14.11 IC15.1 IC15.8 IC15.11 IC16.1 IC16.8 IC16.11 J1.2 J1.11 J1.13 J1.14 P1.55 P1.57 P1.61 P1.62 P1.64 pad.1 pad.2 pad.3 pad.4 U1.3 U1.6 | length 5.7
  SIG+GND TOP w0.155: IC16.1@262.852,27.556 IC16.1@262.888,27.52
  SIG+GND TOP w0.18: IC16.8@265.702,25.606 265.609,25.699 265.348,25.699 265.133,25.913 265.133,27.248 265.334,27.45 265.567,27.45 265.673,27.556 IC16.11@265.702,27.556
  SIG+GND TOP w0.254: IC16.11@265.714,27.544 266.619,28.448 v2(268.224,28.448)
  other v1: 8.377,1.359 18.377,1.359 28.377,1.359 238.377,1.359 248.377,1.359 258.377,1.359 268.377,1.359 13.377,11.359 23.377,11.359 43.377,11.359 53.377,11.359 63.377,11.359 73.377,11.359 83.377,11.359 123.377,11.359 133.377,11.359 143.377,11.359 183.377,11.359 193.377,11.359 203.377,11.359 213.377,11.359
  other v2: 259.461,5.08 99.949,12.827 260.223,17.272 56.007,27.94 243.332,27.94 72.644,28.067 89.916,28.067 107.188,28.067 174.625,28.067 192.278,28.067 208.534,28.067 226.06,28.067 124.206,28.194 141.097,28.194 157.861,28.194 22.225,28.829 259.588,29.083 39.116,29.337 4.699,29.591 31.496,31.242 48.387,31.623 82.616,31.661 116.967,31.75 151.511,31.75 201.295,31.75 235.331,31.75 66.106,31.788 252.603,31.877 134.278,31.975 184.366,31.966 167.64,32.004 218.567,32.004 100.711,32.131 266.7,32.766 15.875,33.147
  other v3: 6.408,3.429 275.908,3.429 6.408,32.351 275.908,32.351
  other v4: 22.377,5.359 238.377,5.359
INT1: J1.6 SW1.9 SW1.10 SW1.11 SW1.12 SW1.13 SW1.14 SW1.15 SW1.16 SW2.9 SW2.10 SW2.11 SW2.12 SW2.13 SW2.14 SW2.15 SW2.16 | length 202
  SIG+GND TOP w0.155: SW1.16@71.247,16.495 SW1.15@72.517,16.495 SW1.14@73.787,16.495 SW1.13@75.057,16.495 SW1.12@76.327,16.495 SW1.11@77.597,16.495 SW1.10@78.867,16.495 SW1.9@80.137,16.495 80.152,16.51 94.272,16.51 94.399,16.637 v1(94.488,16.637) ; v1(132.588,15.113) 180.594,15.113 183.007,12.7 225.948,12.7 SW2.16@228.092,14.844 SW2.15@229.362,14.844 SW2.14@230.632,14.844 SW2.13@231.902,14.844 SW2.12@233.172,14.844 SW2.11@234.442,14.844 SW2.10@235.712,14.844 SW2.9@236.982,14.844 236.982,12.827 243.84,5.969 v1(244.856,5.969) ; v1(255.143,5.969) 259.973,10.799 J1.6@263.767,10.799
  SIG+PWR MID w0.155: v1(94.488,16.637) 95.061,15.875 131.826,15.875 v1(132.588,15.113)
  SIG BOT w0.155: v1(244.856,5.969) v1(255.143,5.969)
INT1_1: IC1.6 P1.23 SW1.1 | length 155.3
  SIG+GND TOP w0.155: IC1.6@9.277,25.156 9.277,23.997 14.224,19.05 61.357,19.05 71.247,9.16 SW1.1@71.247,8.905 71.12,8.778 v1(71.12,6.477)
  SIG+PWR MID w0.155: v1(71.12,6.477) 71.12,3.313 71.68,2.753 79.375,2.753 79.506,2.621 145.623,2.621 148.199,5.197 P1.23@148.199,6.858
INT1_2: IC2.6 P1.24 SW1.2 | length 142.2
  SIG+GND TOP w0.155: v1(25.273,23.368) 26.277,24.372 IC2.6@26.277,25.156 ; v1(72.517,7.366) SW1.2@72.517,8.905 ; P1.24@148.119,9.318 P1.24@148.199,9.398
  SIG+PWR MID w0.155: v1(72.517,7.366) 72.517,4.664 74.019,3.162 79.544,3.162 79.675,3.03 143.873,3.03 147.019,6.176 147.019,7.446 148.027,8.454 148.027,9.226 P1.24@148.199,9.398
  SIG BOT w0.155: v1(25.273,23.368) 25.273,20.955 39.028,7.2 72.282,7.2 72.447,7.366 v1(72.517,7.366)